# Altium PCB Copy of MFC-Card-Template.PcbDoc (part 1 of 2) (continued)
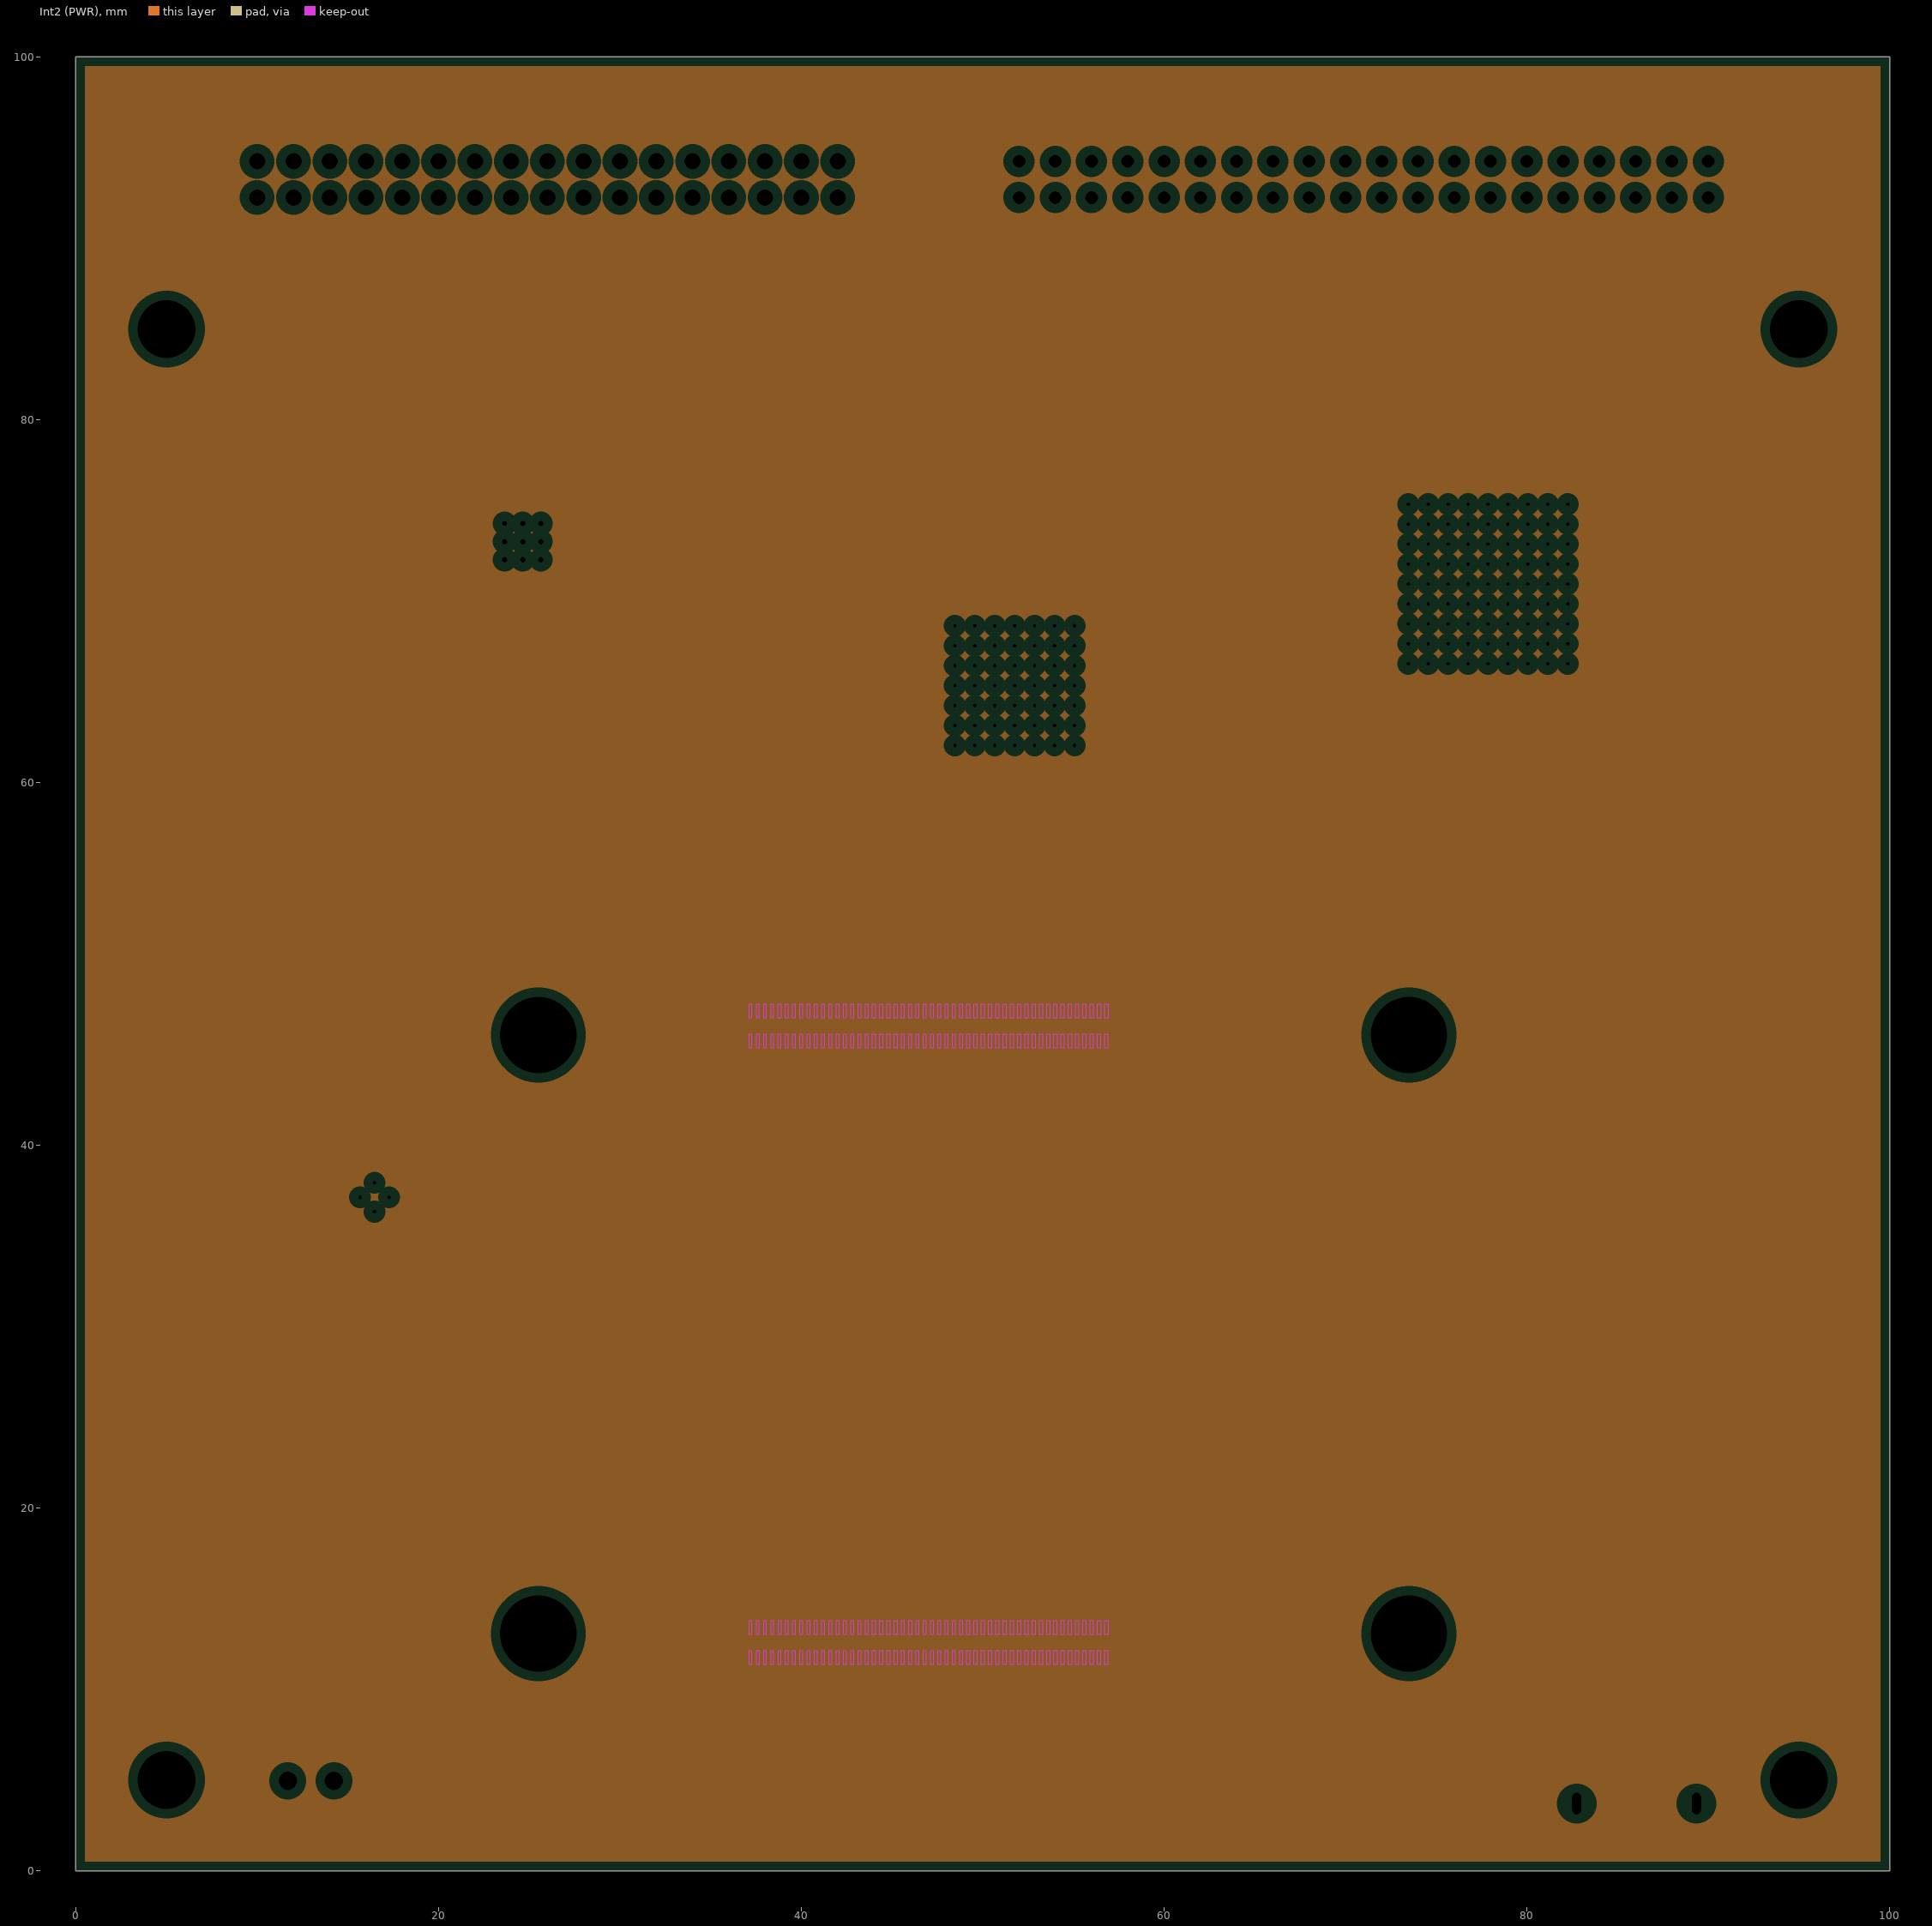
[diagram p3: Int2 (PWR), clearances drawn from the general rule]

## Layer stack, top to bottom
Top Soldermask: solder mask 0.01, SM-001, Dk 4
Top Layer: signal copper 0.041
Dielectric 1: prepreg 0.23, PP-018, Dk 4.3
Int1 (GND): plane copper 0.035
Dielectric 3: core 0.93, Core-028, Dk 4.3
Int2 (PWR): plane copper 0.035
Dielectric 5: prepreg 0.23, PP-018, Dk 4.3
Bottom Layer: signal copper 0.041
Bottom Soldermask: solder mask 0.01, SM-001, Dk 4

## Board outline
0,0 100,0 100,100 0,100

## Design rules (kind name [scope] priority, off if disabled: settings)
BoardOutlineClearance [All] p1: gap=0.254 ignorepadtopadclearanceinfootprint=FALSE
Clearance [All] p1: gap=0.076 ignorepadtopadclearanceinfootprint=FALSE
DiffPairsRouting DiffPairsRouting90ohm [InDifferentialPairClass('DIFF90')] p1: maxlimit=0.127 minlimit=0.127 mostfreqgap=0.127 toplayer_minwidth=0.237 toplayer_maxwidth=0.237 toplayer_prefwidth=0.237 bottomlayer_minwidth=0.237 bottomlayer_maxwidth=0.237 bottomlayer_prefwidth=0.237 impedanceprofiledriven=TRUE impedanceprofileid={AAD2D67D-250C-4277-B259-DF1EC51B730D} impedanceprofilevalue=90.000000 maxuncoupledlength=12.7
DiffPairsRouting DiffPairsRouting100ohm [InDifferentialPairClass('DIFF100')] p2: maxlimit=0.127 minlimit=0.127 mostfreqgap=0.127 toplayer_minwidth=0.17 toplayer_maxwidth=0.17 toplayer_prefwidth=0.17 bottomlayer_minwidth=0.17 bottomlayer_maxwidth=0.17 bottomlayer_prefwidth=0.17 impedanceprofiledriven=TRUE impedanceprofileid={94EAEA9C-75CE-4603-986D-5C92418980E2} impedanceprofilevalue=100.000000 maxuncoupledlength=12.7
HoleSize [All] p1: absolutevalues=TRUE maxlimit=2.54 minlimit=0.254 maxpercent=80.000 minpercent=20.000
MinimumAnnularRing [All] p1: minimumring=0.102
PlaneClearance [All] p1: clearance=0.508
PlaneConnect [All] p1: planeconnectstyle=Relief reliefexpansion=0.508 reliefentries=4 reliefconductorwidth=0.254 reliefairgap=0.254
PolygonConnect [All] p1: connectstyle=Relief reliefconductorwidth=0.254 reliefentries=4 polygonreliefangle="90 Angle" airgapwidth=0.254
RoutingVias [All] p1: holewidth=0.711 width=1.27 viastyle="Through Hole" minholewidth=0.711 minwidth=1.27 maxholewidth=0.711 maxwidth=1.27
SolderMaskExpansion [All] p1: expansion=0.102
Width [All] p1: maxlimit=0.254 minlimit=0.254 preferedwidth=0.254
26 further rules are at their usual default settings.

## Classes and differential pairs
net class Ethernet: ETH1_RX_N ETH1_RX_P ETH1_TX_N ETH1_TX_P ETH2_RX_N ETH2_RX_P ETH2_TX_N ETH2_TX_P ETH3_RX_N ETH3_RX_P ETH3_TX_N ETH3_TX_P ETH4_RX_N ETH4_RX_P ETH4_TX_N ETH4_TX_P ETH5_RX_N ETH5_RX_P ETH5_TX_N ETH5_TX_P ETH6_RX_N ETH6_RX_P ETH6_TX_N ETH6_TX_P
differential pair class DIFF100: ETH1_RX ETH1_TX ETH2_RX ETH2_TX ETH3_RX ETH3_TX ETH4_RX ETH4_TX ETH5_RX ETH5_TX ETH6_RX ETH6_TX
differential pair class DIFF90: USB1_D USB2_D
component class Sensors: C96 C97 C98 C99 R136 R137 R138 R139 R140 R141 R142 R143 R144 U17
component class Power-Supplies: C52 C53 C54 C55 C56 C57 C58 C59 C60 C61 C62 C63 C64 C65 C66 C67 C68 C69 D18 D19 L1 L2 Q1 R93 R94 R95 R96 R97 R98 R99 R100 R101 R102 R103 R104 R105 R106 R107 R108 R109 R110 R111 R112 R113 R114 R115 R116 R117 R118 R119 R120 R145 R146 U7 U8 U9 U10 U11
component class NetworkSwitch: C18 C19 C20 C21 C22 C23 C24 C25 C26 C27 C28 C29 C30 C31 C32 C33 C34 C35 C36 C37 C38 C39 C40 C41 C42 C43 C44 C45 C46 C47 C48 C49 C50 C51 D3 D4 D5 D6 D7 D8 D9 D10 D11 D12 D13 R51 R52 R53 R54 R55 R56 R57 R58 R59 R60 R61 R66 R67 R68 R69 R70 R71 R72 R73 R74 R75 R76 R77 R78 R79 R80 R81 R82 R83 R84 R85 R86 R87 R88 R89 R90 R91 R92 U6
component class Interfaces: C1 C2 C3 C4 C5 C6 C7 C8 C9 C11 D1 J1 J2 J3 J4 R1 R2 R3 R4 R5 R6 R7 R8 R9 R10 R11 R12 R13 R14 R15 R16 R17 R18 R19 R20 R21 R22 R23 R24 R25 R26 R27 R28 R29 R30 R31 R32 R33 R34 R35 R36 R37 R38 R39 R40 R41 R42 R43 R44 R45 R46 U2 U3
component class EthernetBridge: C10 C73 C74 C75 C76 C77 C78 C79 C80 C81 C82 C83 C84 C85 C86 C87 C88 C89 C90 C91 C92 C93 C94 C95 C100 C101 R62 R63 R64 R65 R129 R130 R131 R132 R133 R134 R135 U16 Y3
component class ComputeModule: C70 C71 C72 D14 D15 D16 D17 R121 R122 R123 R124 R125 R126 R127 R128 U1 U12 U13 U14 U15 Y2
component class CANbus: C12 C13 C14 C15 C16 C17 D2 R47 R48 R49 R50 U4 U5 Y1
differential pair USB2_D: +USB2_D_P -USB2_D_N
differential pair USB1_D: +USB1_D_P -USB1_D_N
differential pair ETH6_TX: +ETH6_TX_P -ETH6_TX_N
differential pair ETH6_RX: +ETH6_RX_P -ETH6_RX_N
differential pair ETH5_TX: +ETH5_TX_P -ETH5_TX_N
differential pair ETH5_RX: +ETH5_RX_P -ETH5_RX_N
differential pair ETH4_TX: +ETH4_TX_P -ETH4_TX_N
differential pair ETH4_RX: +ETH4_RX_P -ETH4_RX_N
differential pair ETH3_TX: +ETH3_TX_P -ETH3_TX_N
differential pair ETH3_RX: +ETH3_RX_P -ETH3_RX_N
differential pair ETH2_TX: +ETH2_TX_P -ETH2_TX_N
differential pair ETH2_RX: +ETH2_RX_P -ETH2_RX_N
differential pair ETH1_TX: +ETH1_TX_P -ETH1_TX_N
differential pair ETH1_RX: +ETH1_RX_P -ETH1_RX_N

## Components (designator, comment, footprint, x,y, rotation, side; value= is the part's Value field where it differs from the comment)
C1 "10µF" "CAP 0805_2012" 4.445,94.234 r0 top
C2 "10µF" "CAP 0805_2012" 4.445,92.202 r0 top
C3 "10µF" "CAP 0805_2012" 13.17,89.662 r0 top
C4 "10µF" "CAP 0805_2012" 13.17,87.63 r0 top
C5 "0.1µF" "CAP 0603_1608" 49.784,85.725 r90 top
C6 "0.1µF" "CAP 0603_1608" 56.261,85.852 r90 top
C7 "0.1µF" "CAP 0603_1608" 62.611,85.852 r90 top
C8 "0.1µF" "CAP 0603_1608" 68.961,85.852 r90 top
C9 "0.1µF" "CAP 0603_1608" 81.534,88.661 r270 top
C10 "0.1µF" "CAP 0603_1608" 58.42,63.881 r180 bottom
C11 "0.1µF" "CAP 0603_1608" 58.039,21.336 r270 top
C12 "0.1µF" "CAP 0603_1608" 21.463,79.923 r270 top
C13 "0.1µF" "CAP 0603_1608" 18.923,68.072 r90 top
C14 "4700pF" "CAP 0603_1608" 18.796,84.201 r0 top
C15 "20pF" "CAP 0603_1608" 28.067,68.072 r90 top
C16 "0.1µF" "CAP 0603_1608" 25.908,76.835 r180 top
C17 "20pF" "CAP 0603_1608" 21.336,68.072 r90 top
C18 "10µF" "CAP 0805_2012" 67.564,78.74 r0 bottom
C19 "0.1µF" "CAP 0603_1608" 67.818,76.835 r0 bottom
C20 "0.1µF" "CAP 0603_1608" 80.518,81.026 r270 bottom
C21 "0.1µF" "CAP 0603_1608" 87.884,74.422 r180 bottom
C22 "0.1µF" "CAP 0603_1608" 87.884,71.12 r180 bottom
C23 "22µF" "CAP 0805_2012" 70.612,60.579 r90 bottom
C24 "0.1µF" "CAP 0603_1608" 67.818,65.278 r0 bottom
C25 "0.1µF" "CAP 0603_1608" 67.818,68.326 r0 bottom
C26 "0.1µF" "CAP 0603_1608" 67.818,70.231 r0 bottom
C27 "0.1µF" "CAP 0603_1608" 87.844,67.945 r180 bottom
C28 "0.1µF" "CAP 0603_1608" 87.884,66.04 r180 bottom
C29 "0.1µF" "CAP 0603_1608" 83.312,60.96 r90 bottom
C30 "0.1µF" "CAP 0603_1608" 78.867,60.96 r90 bottom
C31 "0.1µF" "CAP 0603_1608" 77.216,60.96 r90 bottom
C32 "0.1µF" "CAP 0603_1608" 72.39,60.96 r90 bottom
C33 "22µF" "CAP 0805_2012" 88.138,62.738 r180 bottom
C34 "0.1µF" "CAP 0603_1608" 67.818,63.754 r0 bottom
C35 "0.1µF" "CAP 0603_1608" 67.818,66.802 r0 bottom
C36 "0.1µF" "CAP 0603_1608" 67.818,71.882 r0 bottom
C37 "0.1µF" "CAP 0603_1608" 87.884,69.469 r180 bottom
C38 "0.1µF" "CAP 0603_1608" 87.884,64.516 r180 bottom
C39 "0.1µF" "CAP 0603_1608" 80.518,60.96 r90 bottom
C40 "0.1µF" "CAP 0603_1608" 74.168,60.96 r90 bottom
C41 "22µF" "CAP 0805_2012" 74.676,81.28 r270 bottom
C42 "0.1µF" "CAP 0603_1608" 65.532,72.644 r270 bottom
C43 "0.1µF" "CAP 0603_1608" 67.818,74.295 r0 bottom
C44 "0.1µF" "CAP 0603_1608" 76.454,81.026 r270 bottom
C45 "0.1µF" "CAP 0603_1608" 82.042,81.026 r270 bottom
C46 "0.1µF" "CAP 0603_1608" 87.884,72.898 r180 bottom
C47 "0.1µF" "CAP 0603_1608" 90.932,70.993 r180 bottom
C48 "0.1µF" "CAP 0603_1608" 90.297,68.707 r90 bottom
C49 "0.1µF" "CAP 0603_1608" 79.756,58.547 r180 bottom
C50 "0.1µF" "CAP 0603_1608" 75.692,60.96 r90 bottom
C51 "10µF" "CAP 0805_2012" 64.516,80.899 r0 top
C52 "0.1µF" "CAP 0603_1608" 14.605,40.386 r0 top
C53 "0.1µF" "CAP 0603_1608" 11.557,70.993 r180 top
C54 "0.1µF" "CAP 0603_1608" 11.557,69.342 r180 top
C55 "10µF" "CAP 0805_2012" 11.811,67.437 r180 top
C56 "0.1µF" "CAP 0603_1608" 33.528,37.719 r90 top
C57 "1500pF" "CAP 0603_1608" 3.175,70.485 r0 top
C58 "0.47µF" "CAP 0603_1608" 19.177,60.567 r270 top
C59 "0.1µF" "CAP 0603_1608" 24.638,60.567 r90 top
C60 "10µF" "CAP 0805_2012" 12.319,60.452 r90 top
C61 "10µF" "CAP 0805_2012" 5.588,57.277 r0 top
C62 "10µF" "CAP 0805_2012" 5.588,55.245 r0 top
C63 "10µF" "CAP 0805_2012" 5.588,53.213 r0 top
C64 "0.1µF" "CAP 0603_1608" 11.176,50.292 r90 top
C65 "10µF" "CAP 0805_2012" 10.795,43.599 r90 top
C66 "10µF" "CAP 0805_2012" 4.191,40.64 r0 top
C67 "10µF" "CAP 0805_2012" 4.191,38.608 r0 top
C68 "10µF" "CAP 0805_2012" 4.191,36.576 r0 top
C69 "0.1µF" "CAP 0603_1608" 9.779,33.528 r90 top
C70 "0.1µF" "CAP 0603_1608" 28.575,60.365 r90 top
C71 "0.1µF" "CAP 0603_1608" 34.925,62.611 r0 top
C72 "0.1µF" "CAP 0603_1608" 34.925,58.039 r180 top
C73 "10µF" "CAP 0805_2012" 55.753,72.263 r270 bottom
C74 "0.1µF" "CAP 0603_1608" 53.975,72.009 r270 bottom
C75 "0.1µF" "CAP 0603_1608" 58.46,66.929 r180 bottom
C76 "22µF" "CAP 0805_2012" 45.466,58.293 r90 bottom
C77 "0.1µF" "CAP 0603_1608" 47.244,58.547 r90 bottom
C78 "0.1µF" "CAP 0603_1608" 45.085,64.008 r0 bottom
C79 "0.1µF" "CAP 0603_1608" 45.085,66.548 r0 bottom
C80 "10µF" "CAP 0805_2012" 50.673,72.263 r270 bottom
C81 "0.1µF" "CAP 0603_1608" 52.451,72.009 r270 bottom
C82 "0.1µF" "CAP 0603_1608" 58.42,65.405 r180 bottom
C83 "0.1µF" "CAP 0603_1608" 40.752,70.739 r270 top
C84 "0.1µF" "CAP 0603_1608" 43.038,69.215 r0 top
C85 "0.1µF" "CAP 0603_1608" 54.864,56.896 r90 top
C86 "0.1µF" "CAP 0603_1608" 53.213,56.896 r90 top
C87 "0.1µF" "CAP 0603_1608" 50.546,56.896 r90 top
C88 "0.1µF" "CAP 0603_1608" 48.808,76.708 r0 top
C89 "24pF" "CAP 0603_1608" 48.092,74.371 r90 top
C90 "24pF" "CAP 0603_1608" 41.529,74.422 r90 top
C91 "0.1µF" "CAP 0603_1608" 50.292,74.382 r270 top
C92 "0.1µF" "CAP 0603_1608" 59.944,68.199 r180 top
C93 "0.1µF" "CAP 0603_1608" 59.944,69.85 r180 top
C94 "0.1µF" "CAP 0603_1608" 60.071,59.309 r180 top
C95 "0.1µF" "CAP 0603_1608" 60.071,60.96 r180 top
C96 "0.1µF" "CAP 0603_1608" 11.428,20.308 r0 top
C97 "0.47µF" "CAP 0603_1608" 18.872,22.79 r270 top
C98 "0.47µF" "CAP 0603_1608" 15.494,24.424 r270 top
C99 "0.47µF" "CAP 0603_1608" 12.192,22.748 r270 top
C100 "0.1µF" "CAP 0603_1608" 45.085,68.58 r0 bottom
C101 "0.1µF" "CAP 0603_1608" 50.038,58.674 r90 bottom
D1 "Green" "LED 0603_1608 GREEN" 82.931,11.061 r270 top
D2 "PESD1CAN-UX" FP-SOT323-MFG 17.907,88.392 r270 top
D3 "Yellow" "LED 0603_1608 YELLOW" 93,55.245 r180 top
D4 "Green" "LED 0603_1608 GREEN" 93,53.594 r180 top
D5 "Yellow" "LED 0603_1608 YELLOW" 93,51.308 r180 top
D6 "Green" "LED 0603_1608 GREEN" 93,49.657 r180 top
D7 "Yellow" "LED 0603_1608 YELLOW" 93,46.736 r180 top
D8 "Green" "LED 0603_1608 GREEN" 93,45.085 r180 top
D9 "1N4148W RHG" SOD123F 68.867,80.899 r180 top
D10 "Yellow" "LED 0603_1608 YELLOW" 93,42.799 r180 top
D11 "Green" "LED 0603_1608 GREEN" 93,41.148 r180 top
D12 "Yellow" "LED 0603_1608 YELLOW" 93,38.227 r180 top
D13 "Green" "LED 0603_1608 GREEN" 93,36.576 r180 top
D14 "Green" "LED 0603_1608 GREEN" 23.495,53.074 r270 top
D15 "LTST-C190KFKT" FP-LTST-C190KFKT-MFG 25.4,53.34 r90 top
D16 "Yellow" "LED 0603_1608 YELLOW" 80.645,43.004 r90 top
D17 "Green" "LED 0603_1608 GREEN" 78.867,43.004 r90 top
D18 "Green" "LED 0603_1608 GREEN" 2.54,61.102 r90 top
D19 "Green" "LED 0603_1608 GREEN" 14.859,32.258 r0 top
J1 "0878333420" 0878333420 10,94.25 r0 top
J2 "0878334020" 0878334020 52,94.25 r0 top
J3 "M20-9990246" FP-M20-9990246-MFG 12.954,4.953 r0 top
J4 "10118193-0001LF" "FCI USB 10118193-0001LF" 86.051,3.754 r180 top
L1 "2.2µH" "BOURNS SRN4018" 9.779,54.864 r270 top
L2 "2.2µH" "BOURNS SRN4018" 8.382,38.1 r270 top
Q1 "NTR4003NT1G" "ON SEMI SOT-23-3" 8.255,75.549 r270 top
R1 "10 kOhms" "RES 0603_1608" 41,88.138 r270 top
R2 "10 kOhms" "RES 0603_1608" 21,88.138 r90 top
R3 "10 kOhms" "RES 0603_1608" 24,84.328 r90 top
R4 "10 kOhms" "RES 0603_1608" 23,88.138 r90 top
R5 "10 kOhms" "RES 0603_1608" 26,84.328 r90 top
R6 "10 kOhms" "RES 0603_1608" 25,88.138 r90 top
R7 "10 kOhms" "RES 0603_1608" 28,84.328 r90 top
R8 "10 kOhms" "RES 0603_1608" 27,88.138 r90 top
R9 "10 kOhms" "RES 0603_1608" 30,84.328 r90 top
R10 "10 kOhms" "RES 0603_1608" 29,88.138 r90 top
R11 "10 kOhms" "RES 0603_1608" 32,84.328 r90 top
R12 "10 kOhms" "RES 0603_1608" 31,88.138 r90 top
R13 "10 kOhms" "RES 0603_1608" 34,84.328 r90 top
R14 "10 kOhms" "RES 0603_1608" 33,88.138 r90 top
R15 "10 kOhms" "RES 0603_1608" 36,84.328 r90 top
R16 "10 kOhms" "RES 0603_1608" 35,88.138 r90 top
R17 "10 kOhms" "RES 0603_1608" 38,84.328 r90 top
R18 "10 kOhms" "RES 0603_1608" 37,88.138 r90 top
R19 "10 kOhms" "RES 0603_1608" 40,84.328 r90 top
R20 "10 kOhms" "RES 0603_1608" 39,88.138 r90 top
R21 "10 kOhms" "RES 0603_1608" 42,84.328 r90 top
R22 "40.2 Ohms" "RES 0603_1608" 51.435,88.773 r270 top
R23 "40.2 Ohms" "RES 0603_1608" 49.911,88.758 r270 top
R24 "40.2 Ohms" "RES 0603_1608" 54.483,88.773 r270 top
R25 "40.2 Ohms" "RES 0603_1608" 52.959,88.773 r270 top
R26 "40.2 Ohms" "RES 0603_1608" 57.785,88.773 r270 top
R27 "40.2 Ohms" "RES 0603_1608" 56.261,88.788 r270 top
R28 "40.2 Ohms" "RES 0603_1608" 59.309,88.773 r270 top
R29 "40.2 Ohms" "RES 0603_1608" 60.833,88.773 r270 top
R30 "40.2 Ohms" "RES 0603_1608" 64.135,88.773 r270 top
R31 "40.2 Ohms" "RES 0603_1608" 62.611,88.773 r270 top
R32 "40.2 Ohms" "RES 0603_1608" 67.183,88.773 r270 top
R33 "40.2 Ohms" "RES 0603_1608" 65.659,88.773 r270 top
R34 "40.2 Ohms" "RES 0603_1608" 70.485,88.788 r270 top
R35 "40.2 Ohms" "RES 0603_1608" 68.961,88.788 r270 top
R36 "40.2 Ohms" "RES 0603_1608" 73.533,88.788 r270 top
R37 "40.2 Ohms" "RES 0603_1608" 72.009,88.788 r270 top
R38 "40.2 Ohms" "RES 0603_1608" 76.835,88.788 r270 top
R39 "40.2 Ohms" "RES 0603_1608" 75.311,88.773 r270 top
R40 "40.2 Ohms" "RES 0603_1608" 79.883,88.788 r270 top
R41 "40.2 Ohms" "RES 0603_1608" 78.359,88.788 r270 top
R42 "10 kOhms" "RES 0603_1608" 95.885,92.202 r0 top
R43 "10 kOhms" "RES 0603_1608" 95.885,94.234 r0 top
R44 "2.1 kOhms" "RES 0603_1608" 52.705,18.415 r270 top
R45 "2.1 kOhms" "RES 0603_1608" 52.705,21.336 r270 top
R46 "590 Ohms" "RES 0603_1608" 82.931,14.105 r90 top
R47 "60.4 Ohms" "RES 1206_3216" 16.764,80.899 r270 top
R48 "100 Ohms" "RES 0603_1608" 14.605,76.073 r270 top
R49 "60.4 Ohms" "RES 1206_3216" 19.304,80.899 r90 top
R50 "10 kOhms" "RES 0603_1608" 14.605,78.867 r270 top
R51 "240 Ohms" "RES 0603_1608" 96,55.245 r0 top
R52 "240 Ohms" "RES 0603_1608" 96,53.594 r0 top
R53 "240 Ohms" "RES 0603_1608" 96,51.308 r0 top
R54 "240 Ohms" "RES 0603_1608" 96,49.657 r0 top
R55 "240 Ohms" "RES 0603_1608" 96,46.736 r0 top
R56 "240 Ohms" "RES 0603_1608" 96,45.085 r0 top
R57 "10 kOhms" "RES 0603_1608" 67.198,65.913 r180 top
R58 "10 kOhms" "RES 0603_1608" 67.198,64.389 r180 top
R59 "240 Ohms" "RES 0603_1608" 96,42.799 r0 top
R60 "240 Ohms" "RES 0603_1608" 96,41.148 r0 top
R61 "10 kOhms" "RES 0603_1608" 66.563,78.867 r0 top
R62 "22 Ohms" "RES 0603_1608" 59.309,80.264 r0 top
R63 "22 Ohms" "RES 0603_1608" 59.309,78.613 r0 top
R64 "22 Ohms" "RES 0603_1608" 59.309,76.962 r0 top
R65 "22 Ohms" "RES 0603_1608" 59.309,81.915 r0 top
R66 "6.04 kOhms" "RES 0603_1608" 73.152,81.407 r270 top
R67 "240 Ohms" "RES 0603_1608" 96,38.227 r0 top
R68 "240 Ohms" "RES 0603_1608" 96,36.576 r0 top
R69 "22 Ohms" "RES 0603_1608" 75.057,82.042 r270 top
R70 "22 Ohms" "RES 0603_1608" 76.708,82.042 r270 top
R71 "22 Ohms" "RES 0603_1608" 78.359,82.042 r270 top
R72 "22 Ohms" "RES 0603_1608" 79.883,82.042 r270 top
R73 "22 Ohms" "RES 0603_1608" 65.674,57.912 r0 top
R74 "22 Ohms" "RES 0603_1608" 65.659,59.69 r0 top
R75 "22 Ohms" "RES 0603_1608" 88.265,76.708 r180 top
R76 "22 Ohms" "RES 0603_1608" 88.265,78.232 r180 top
R77 "22 Ohms" "RES 0603_1608" 65.659,52.705 r0 top
R78 "22 Ohms" "RES 0603_1608" 65.659,54.356 r0 top
R79 "22 Ohms" "RES 0603_1608" 65.659,56.007 r0 top
R80 "10 kOhms" "RES 0603_1608" 89.5,53.594 r0 top
R81 "10 kOhms" "RES 0603_1608" 89.5,49.657 r0 top
R82 "10 kOhms" "RES 0603_1608" 89.5,42.799 r0 top
R83 "1 kOhms" "RES 0603_1608" 89.5,51.308 r0 top
R84 "1 kOhms" "RES 0603_1608" 89.5,41.148 r0 top
R85 "1 kOhms" "RES 0603_1608" 89.5,45.085 r0 top
R86 "10 kOhms" "RES 0603_1608" 89.5,36.576 r0 top
R87 "10 kOhms" "RES 0603_1608" 79.883,85.217 r270 top
R88 "10 kOhms" "RES 0603_1608" 78.232,85.217 r270 top
R89 "1 kOhms" "RES 0603_1608" 76.708,85.217 r270 top
R90 "10 kOhms" "RES 0603_1608" 75.184,85.217 r270 top
R91 "1 kOhms" "RES 0603_1608" 81.534,82.042 r270 top
R92 "1 kOhms" "RES 0603_1608" 81.534,85.217 r270 top
R93 "240 mOhms" "RES 0805_2012" 38.1,37.846 r270 top
R94 "140 kOhms" "RES 0603_1608" 11.43,74.676 r0 top
R95 "10 kOhms" "RES 0603_1608" 7.493,65.405 r270 top
R96 "10 kOhms" "RES 0603_1608" 9.144,65.405 r270 top
R97 "180 kOhms" "RES 0603_1608" 2.54,65.405 r270 top
R98 "10 Ohms" "RES 0603_1608" 35.687,38.608 r0 top
R99 "10 Ohms" "RES 0603_1608" 35.687,36.957 r0 top
R100 "7.15 kOhms" "RES 0603_1608" 5.461,75.184 r270 top
R101 "47.5 kOhms" "RES 0603_1608" 4.191,65.405 r90 top
R102 "37.4 kOhms" "RES 0603_1608" 3.16,72.136 r0 top
R103 "9.1 kOhms" "RES 0603_1608" 3.175,68.834 r0 top
R104 "10 kOhms" "RES 0603_1608" 5.842,65.405 r90 top
R105 "32.4 kOhms" "RES 0603_1608" 5.461,77.978 r270 top
R106 "50 Ohms" "RES 0603_1608" 9.144,78.74 r90 top
R107 "10 kOhms" "RES 0603_1608" 7.366,78.74 r90 top
R108 "240 mOhms" "RES 0805_2012" 6.477,50.292 r270 top
R109 "680 Ohms" "RES 0603_1608" 20.828,60.567 r270 top
R110 "10 kOhms" "RES 0603_1608" 9.779,62.992 r0 top
R111 "100 kOhms" "RES 0603_1608" 6.731,60.833 r270 top
R112 "10 Ohms" "RES 0603_1608" 8.875,51.181 r180 top
R113 "10 Ohms" "RES 0603_1608" 8.89,49.403 r180 top
R114 "100 kOhms" "RES 0603_1608" 5.08,60.833 r90 top
R115 "75 mOhms" "RES 0805_2012" 5.08,33.528 r270 top
R116 "10 kOhms" "RES 0603_1608" 8.382,46.355 r0 top
R117 "316 kOhms" "RES 0603_1608" 5.207,43.942 r270 top
R118 "10 Ohms" "RES 0603_1608" 7.508,34.29 r180 top
R119 "10 Ohms" "RES 0603_1608" 7.493,32.639 r180 top
R120 "100 kOhms" "RES 0603_1608" 3.556,43.942 r90 top
R121 "4.7 kOhms" "RES 0603_1608" 40.005,37.846 r270 top
R122 "4.7 kOhms" "RES 0603_1608" 41.656,37.846 r270 top
R123 "1 kOhms" "RES 0603_1608" 23.495,56.122 r270 top
R124 "1 kOhms" "RES 0603_1608" 25.4,56.134 r270 top
R125 "470 Ohms" "RES 0603_1608" 80.645,46.154 r90 top
R126 "470 Ohms" "RES 0603_1608" 78.867,46.154 r90 top
R127 "510 kOhms" "RES 0603_1608" 34.163,60.325 r90 top
R128 "510 kOhms" "RES 0603_1608" 35.814,60.325 r90 top
R129 "10 kOhms" "RES 0603_1608" 43.053,65.659 r180 top
R130 "330 Ohms" "RES 0603_1608" 59.929,62.611 r180 top
R131 "10 kOhms" "RES 0603_1608" 51.943,74.382 r90 top
R132 "330 Ohms" "RES 0603_1608" 55.118,74.295 r90 top
R133 "200 Ohms" "RES 0603_1608" 56.515,56.896 r90 top
R134 "6.04 kOhms" "RES 0603_1608" 43.038,71.374 r0 top
R135 "10 kOhms" "RES 0603_1608" 59.929,64.643 r0 top
R136 "10 kOhms" "RES 0603_1608" 16.019,63.758 r90 top
R137 "10 kOhms" "RES 0603_1608" 48.404,27.563 r90 top
R138 "10 kOhms" "RES 0603_1608" 79.487,56.134 r180 top
R139 "10 kOhms" "PTC 0402_1005" 16.002,66.548 r90 top
R140 "10 kOhms" "PTC 0402_1005" 48.404,31.754 r90 top
R141 "10 kOhms" "PTC 0402_1005" 76.675,56.134 r180 top
R142 "680 Ohms" "RES 0603_1608" 17.272,22.748 r270 top
R143 "680 Ohms" "RES 0603_1608" 13.909,24.422 r270 top
R144 "680 Ohms" "RES 0603_1608" 10.579,22.724 r270 top
R145 "1 kOhms" "RES 0603_1608" 2.54,58.054 r90 top
R146 "1 kOhms" "RES 0603_1608" 14.859,33.909 r0 top
U1 "SCH - SOM - RASPBERRY PI - COMPUTE MODULE 4" "PCB - SOM - Pi4 Compute Module" 22,9.571 r0 top
U2 "FSUSB42MUX" FP-846AP-MFG 55.372,19.685 r90 top
U3 "TPD4S012DRYR" DRY0006A 85.979,10.033 r90 top
U4 "SCH - INTERFACE - CAN - TI TCAN1051V" "PCB - LEADS - SOIC - TI SOIC-8" 18.288,74.549 r90 top
U5 "MCP2515T-I/ML" FP-C04-126-MFG 24.638,73.279 r0 top
U6 "SCH - INTERFACE - ETHERNET - TRANSCEIVER - Microchip KSZ9896" "PCB - LEADS - QFP - Microchip 128-TQFP" 77.861,70.946 r90 top
U7 "INA3221AIRGVT" RGV0016A_V 16.469,37.131 r270 top
U8 "SCH - POWER - EFUSE - TPS25942A" "PCB - LEADLESS - QFN - TI 20-WQFN" 7.473,70.211 r90 top
U9 "SCH - REGULATOR - BUCK - TI TLV62569PDDC" "PCB - LEADS - SOT- TI TSOT-23-6" 9.398,60.071 r90 top
U10 "SCH - DATA ACQUISITION - ADC - TI TLA2022" "PCB - LEADLESS - QFN - TI X2QFN-10" 22.733,60.567 r0 top
U11 "SCH - REGULATOR - BUCK - TI TLV62569PDDC" "PCB - LEADS - SOT- TI TSOT-23-6" 7.874,43.18 r90 top
U12 "PCF85063ATL/1,118" FP-SOT1197-1-MFG 31.099,59.785 r90 top
U13 "74LVC1G07SE-7" FP-SOT353-MFG 32.258,47.625 r180 top
U14 "74LVC1G07SE-7" FP-SOT353-MFG 32.197,44.816 r180 top
U15 "74LVC1G07SE-7" FP-SOT353-MFG 34.94,55.179 r270 top
U16 "SCH - CONTROLLER - ETHERNET - MICROCHIP LAN7431" "PCB - LEADLESS - QFN - MICROCHIP 72-SQFN" 51.765,65.345 r0 top
U17 "SCH - DATA ACQUISITION - ADC - TI TLA2024" "PCB - LEADLESS - QFN - TI X2QFN-10" 14.588,20.966 r180 top
Y1 "16MHz" "EPSON TSX-3225" 24.722,67.653 r0 top
Y2 "32.768kHz" "ABRACON ABS07" 30.353,55.372 r180 top
Y3 "25MHz" "EPSON TSX-3225" 44.831,74.803 r0 top
